# KiCad board first_keyboard.kicad_pcb (continued)
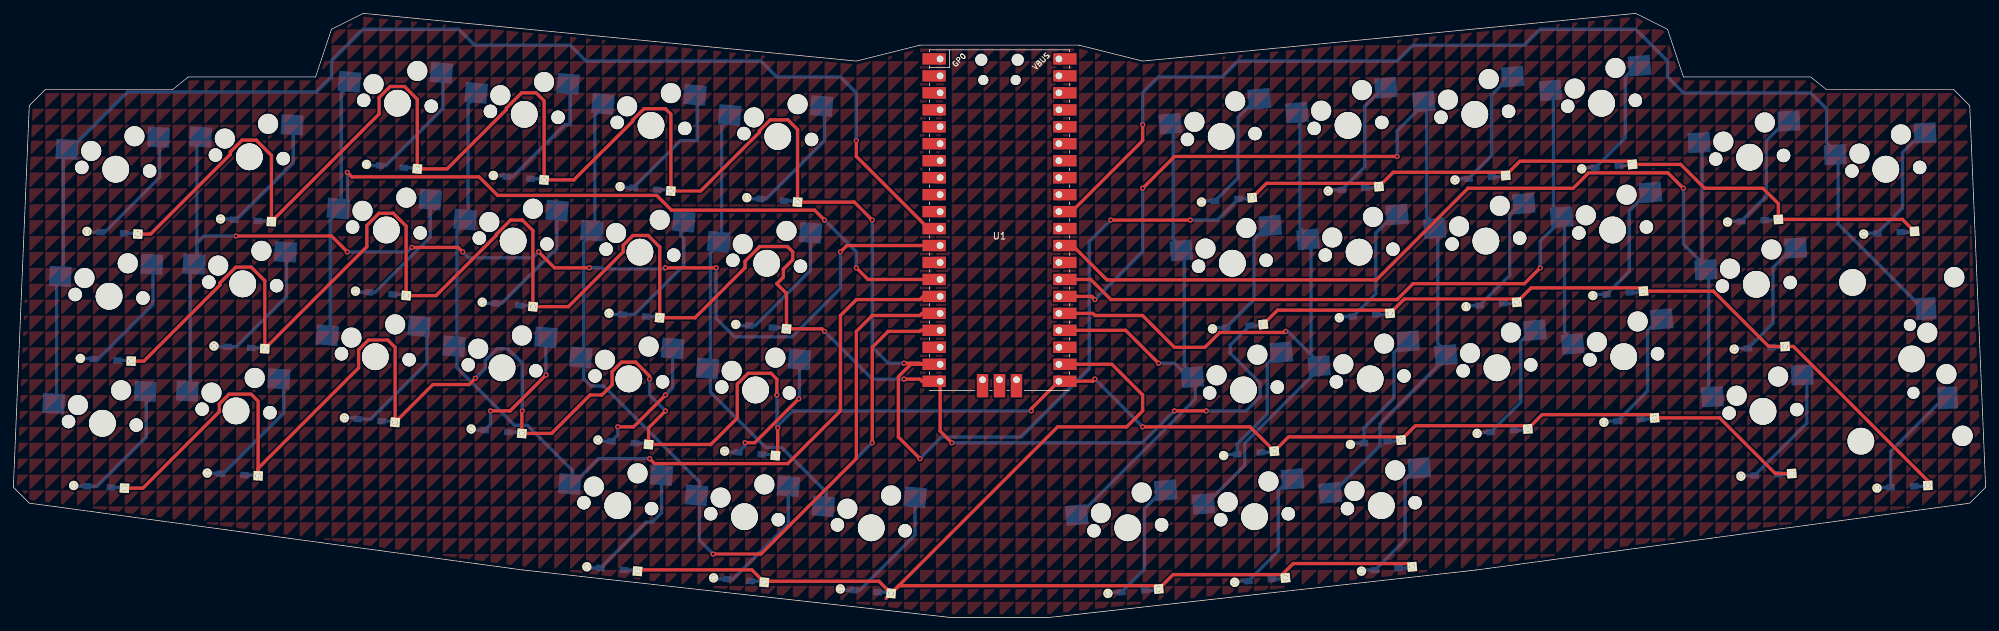
[diagram p0: board, top side]
## Copper pours and planes (outline as drawn; the poured copper is in the pictures) (continued)
(no net) on Top, Bottom: 116.68,107.16 116.68,104.78 119.06,107.16
(no net) on Top, Bottom: 128.59,2.38 128.59,0 130.97,2.38
(no net) on Top, Bottom: 90.49,104.78 90.49,102.39 92.87,104.78
(no net) on Top, Bottom: 288.13,45.24 288.13,42.86 290.51,45.24
(no net) on Top, Bottom: 147.64,45.24 147.64,42.86 150.02,45.24
(no net) on Top, Bottom: 228.6,135.73 228.6,133.35 230.98,135.73
(no net) on Top, Bottom: 173.83,64.29 173.83,61.91 176.21,64.29
(no net) on Top, Bottom: 150.02,69.06 150.02,66.68 152.4,69.06
(no net) on Top, Bottom: 52.39,109.54 52.39,107.16 54.77,109.54
(no net) on Top, Bottom: 247.65,90.49 247.65,88.11 250.03,90.49
(no net) on Top, Bottom: 109.54,40.48 109.54,38.1 111.92,40.48
(no net) on Top, Bottom: 116.68,14.29 116.68,11.91 119.06,14.29
(no net) on Top, Bottom: 188.12,119.06 188.12,116.68 190.5,119.06
(no net) on Top, Bottom: 157.16,-33.34 157.16,-35.72 159.54,-33.34
(no net) on Top, Bottom: 104.77,116.68 104.77,114.3 107.16,116.68
(no net) on Top, Bottom: 259.56,52.39 259.56,50.01 261.94,52.39
(no net) on Top, Bottom: 285.75,71.44 285.75,69.06 288.13,71.44
(no net) on Top, Bottom: 135.73,-33.34 135.73,-35.72 138.11,-33.34
(no net) on Top, Bottom: 173.83,50.01 173.83,47.62 176.21,50.01
(no net) on Top, Bottom: 190.5,0 190.5,-2.38 192.88,0
(no net) on Top, Bottom: 278.61,85.72 278.61,83.34 280.99,85.72
(no net) on Top, Bottom: 47.62,116.68 47.62,114.3 50.01,116.68
(no net) on Top, Bottom: 33.34,119.06 33.34,116.68 35.72,119.06
(no net) on Top, Bottom: 145.26,64.29 145.26,61.91 147.64,64.29
(no net) on Top, Bottom: 138.11,133.35 138.11,130.97 140.49,133.35
(no net) on Top, Bottom: 104.77,35.72 104.77,33.34 107.16,35.72
(no net) on Top, Bottom: 119.06,21.43 119.06,19.05 121.44,21.43
(no net) on Top, Bottom: 114.3,119.06 114.3,116.68 116.68,119.06
(no net) on Top, Bottom: 190.5,-19.05 190.5,-21.43 192.88,-19.05
(no net) on Top, Bottom: 152.4,107.16 152.4,104.78 154.78,107.16
(no net) on Top, Bottom: 173.83,16.67 173.83,14.29 176.21,16.67
(no net) on Top, Bottom: 257.18,142.88 257.18,140.49 259.56,142.88
(no net) on Top, Bottom: 183.36,83.34 183.36,80.96 185.74,83.34
(no net) on Top, Bottom: 216.69,92.87 216.69,90.49 219.07,92.87
(no net) on Top, Bottom: 85.73,83.34 85.73,80.96 88.11,83.34
(no net) on Top, Bottom: 142.88,133.35 142.88,130.97 145.26,133.35
(no net) on Top, Bottom: 126.21,150.02 126.21,147.64 128.59,150.02
(no net) on Top, Bottom: 76.2,30.96 76.2,28.57 78.58,30.96
(no net) on Top, Bottom: 171.45,38.1 171.45,35.72 173.83,38.1
(no net) on Top, Bottom: 0,11.91 0,9.53 2.38,11.91
(no net) on Top, Bottom: 164.31,-9.53 164.31,-11.91 166.69,-9.53
(no net) on Top, Bottom: 92.87,21.43 92.87,19.05 95.25,21.43
(no net) on Top, Bottom: 216.69,59.53 216.69,57.15 219.07,59.53
(no net) on Top, Bottom: 195.26,16.67 195.26,14.29 197.64,16.67
(no net) on Top, Bottom: 283.37,4.76 283.37,2.38 285.75,4.76
(no net) on Top, Bottom: 254.79,52.39 254.79,50.01 257.18,52.39
(no net) on Top, Bottom: 109.54,61.91 109.54,59.53 111.92,61.91
(no net) on Top, Bottom: 247.65,54.77 247.65,52.39 250.03,54.77
(no net) on Top, Bottom: 276.22,45.24 276.22,42.86 278.61,45.24
(no net) on Top, Bottom: 2.38,100.01 2.38,97.63 4.76,100.01
(no net) on Top, Bottom: 238.12,119.06 238.12,116.68 240.51,119.06
(no net) on Top, Bottom: 88.11,121.44 88.11,119.06 90.49,121.44
(no net) on Top, Bottom: 221.46,90.49 221.46,88.11 223.84,90.49
(no net) on Top, Bottom: 40.48,133.35 40.48,130.97 42.86,133.35
(no net) on Top, Bottom: 14.29,0 14.29,-2.38 16.67,0
(no net) on Top, Bottom: 126.21,-38.1 126.21,-40.48 128.59,-38.1
(no net) on Top, Bottom: 154.78,-9.53 154.78,-11.91 157.16,-9.53
(no net) on Top, Bottom: 264.32,116.68 264.32,114.3 266.7,116.68
(no net) on Top, Bottom: 242.89,33.34 242.89,30.96 245.27,33.34
(no net) on Top, Bottom: 280.99,102.39 280.99,100.01 283.37,102.39
(no net) on Top, Bottom: 30.96,14.29 30.96,11.91 33.34,14.29
(no net) on Top, Bottom: 297.66,14.29 297.66,11.91 300.04,14.29
(no net) on Top, Bottom: 223.84,-28.57 223.84,-30.96 226.22,-28.57
(no net) on Top, Bottom: 73.82,88.11 73.82,85.72 76.2,88.11
(no net) on Top, Bottom: 192.88,66.68 192.88,64.29 195.26,66.68
(no net) on Top, Bottom: 119.06,69.06 119.06,66.68 121.44,69.06
(no net) on Top, Bottom: 9.53,76.2 9.53,73.82 11.91,76.2
(no net) on Top, Bottom: 97.63,121.44 97.63,119.06 100.01,121.44
(no net) on Top, Bottom: 126.21,100.01 126.21,97.63 128.59,100.01
(no net) on Top, Bottom: 126.21,-30.96 126.21,-33.34 128.59,-30.96
(no net) on Top, Bottom: 200.02,16.67 200.02,14.29 202.41,16.67
(no net) on Top, Bottom: 204.79,83.34 204.79,80.96 207.17,83.34
(no net) on Top, Bottom: 266.7,100.01 266.7,97.63 269.08,100.01
(no net) on Top, Bottom: 107.16,119.06 107.16,116.68 109.54,119.06
(no net) on Top, Bottom: 223.84,2.38 223.84,0 226.22,2.38
(no net) on Top, Bottom: 4.76,-26.19 4.76,-28.57 7.14,-26.19
(no net) on Top, Bottom: 121.44,135.73 121.44,133.35 123.83,135.73
(no net) on Top, Bottom: 147.64,2.38 147.64,0 150.02,2.38
(no net) on Top, Bottom: 233.36,100.01 233.36,97.63 235.74,100.01
(no net) on Top, Bottom: 304.8,133.35 304.8,130.97 307.18,133.35
(no net) on Top, Bottom: 85.73,71.44 85.73,69.06 88.11,71.44
(no net) on Top, Bottom: 164.31,135.73 164.31,133.35 166.69,135.73
(no net) on Top, Bottom: 64.29,126.21 64.29,123.83 66.67,126.21
(no net) on Top, Bottom: 304.8,64.29 304.8,61.91 307.18,64.29
(no net) on Top, Bottom: 295.27,47.62 295.27,45.24 297.66,47.62
(no net) on Top, Bottom: 126.21,-9.53 126.21,-11.91 128.59,-9.53
(no net) on Top, Bottom: 16.67,9.53 16.67,7.14 19.05,9.53
(no net) on Top, Bottom: 159.54,145.26 159.54,142.88 161.93,145.26
(no net) on Top, Bottom: 23.81,-35.72 23.81,-38.1 26.19,-35.72
(no net) on Top, Bottom: 211.93,116.68 211.93,114.3 214.31,116.68
(no net) on Top, Bottom: 40.48,-38.1 40.48,-40.48 42.86,-38.1
(no net) on Top, Bottom: 35.72,19.05 35.72,16.67 38.1,19.05
(no net) on Top, Bottom: 202.41,119.06 202.41,116.68 204.79,119.06
(no net) on Top, Bottom: 185.74,9.53 185.74,7.14 188.12,9.53
(no net) on Top, Bottom: 154.78,109.54 154.78,107.16 157.16,109.54
(no net) on Top, Bottom: 135.73,0 135.73,-2.38 138.11,0
(no net) on Top, Bottom: 264.32,-21.43 264.32,-23.81 266.7,-21.43
(no net) on Top, Bottom: 130.97,45.24 130.97,42.86 133.35,45.24
(no net) on Top, Bottom: 123.83,97.63 123.83,95.25 126.21,97.63
(no net) on Top, Bottom: 145.26,80.96 145.26,78.58 147.64,80.96
(no net) on Top, Bottom: 102.39,4.76 102.39,2.38 104.77,4.76
(no net) on Top, Bottom: 76.2,123.83 76.2,121.44 78.58,123.83
(no net) on Top, Bottom: 219.07,126.21 219.07,123.83 221.46,126.21
(no net) on Top, Bottom: 114.3,14.29 114.3,11.91 116.68,14.29
(no net) on Top, Bottom: 138.11,142.88 138.11,140.49 140.49,142.88
(no net) on Top, Bottom: 73.82,111.92 73.82,109.54 76.2,111.92
(no net) on Top, Bottom: 285.75,52.39 285.75,50.01 288.13,52.39
(no net) on Top, Bottom: 302.42,30.96 302.42,28.57 304.8,30.96
(no net) on Top, Bottom: 209.55,57.15 209.55,54.77 211.93,57.15
(no net) on Top, Bottom: 2.38,2.38 2.38,0 4.76,2.38
(no net) on Top, Bottom: 261.94,-38.1 261.94,-40.48 264.32,-38.1
(no net) on Top, Bottom: 216.69,-9.53 216.69,-11.91 219.07,-9.53
(no net) on Top, Bottom: 295.27,66.68 295.27,64.29 297.66,66.68
(no net) on Top, Bottom: 78.58,76.2 78.58,73.82 80.96,76.2
(no net) on Top, Bottom: 266.7,-23.81 266.7,-26.19 269.08,-23.81
(no net) on Top, Bottom: 257.18,88.11 257.18,85.72 259.56,88.11
(no net) on Top, Bottom: 97.63,-35.72 97.63,-38.1 100.01,-35.72
(no net) on Top, Bottom: 7.14,83.34 7.14,80.96 9.53,83.34
(no net) on Top, Bottom: 173.83,138.11 173.83,135.73 176.21,138.11
(no net) on Top, Bottom: 40.48,23.81 40.48,21.43 42.86,23.81
(no net) on Top, Bottom: 150.02,147.64 150.02,145.26 152.4,147.64
(no net) on Top, Bottom: 288.13,150.02 288.13,147.64 290.51,150.02
(no net) on Top, Bottom: 102.39,7.14 102.39,4.76 104.77,7.14
(no net) on Top, Bottom: 45.24,4.76 45.24,2.38 47.62,4.76
(no net) on Top, Bottom: 150.02,54.77 150.02,52.39 152.4,54.77
(no net) on Top, Bottom: 204.79,-7.14 204.79,-9.53 207.17,-7.14
(no net) on Top, Bottom: 4.76,64.29 4.76,61.91 7.14,64.29
(no net) on Top, Bottom: 54.77,85.72 54.77,83.34 57.15,85.72
(no net) on Top, Bottom: 42.86,35.72 42.86,33.34 45.24,35.72
(no net) on Top, Bottom: 69.06,-38.1 69.06,-40.48 71.44,-38.1
(no net) on Top, Bottom: 88.11,61.91 88.11,59.53 90.49,61.91
(no net) on Top, Bottom: 173.83,9.53 173.83,7.14 176.21,9.53
(no net) on Top, Bottom: 38.1,11.91 38.1,9.53 40.48,11.91
(no net) on Top, Bottom: 250.03,-11.91 250.03,-14.29 252.41,-11.91
(no net) on Top, Bottom: 204.79,-23.81 204.79,-26.19 207.17,-23.81
(no net) on Top, Bottom: 26.19,-26.19 26.19,-28.57 28.58,-26.19
(no net) on Top, Bottom: 71.44,-26.19 71.44,-28.57 73.82,-26.19
(no net) on Top, Bottom: 276.22,121.44 276.22,119.06 278.61,121.44
(no net) on Top, Bottom: 185.74,102.39 185.74,100.01 188.12,102.39
(no net) on Top, Bottom: 297.66,85.72 297.66,83.34 300.04,85.72
(no net) on Top, Bottom: 183.36,4.76 183.36,2.38 185.74,4.76
(no net) on Top, Bottom: 288.13,35.72 288.13,33.34 290.51,35.72
(no net) on Top, Bottom: 88.11,104.78 88.11,102.39 90.49,104.78
(no net) on Top, Bottom: 59.53,19.05 59.53,16.67 61.91,19.05
(no net) on Top, Bottom: 66.67,-38.1 66.67,-40.48 69.06,-38.1
(no net) on Top, Bottom: 130.97,111.92 130.97,109.54 133.35,111.92
(no net) on Top, Bottom: 121.44,85.72 121.44,83.34 123.83,85.72
(no net) on Top, Bottom: 266.7,42.86 266.7,40.48 269.08,42.86
(no net) on Top, Bottom: 69.06,-11.91 69.06,-14.29 71.44,-11.91
(no net) on Top, Bottom: 221.46,145.26 221.46,142.88 223.84,145.26
(no net) on Top, Bottom: 271.46,61.91 271.46,59.53 273.84,61.91
(no net) on Top, Bottom: 23.81,23.81 23.81,21.43 26.19,23.81
(no net) on Top, Bottom: 88.11,-33.34 88.11,-35.72 90.49,-33.34
(no net) on Top, Bottom: 100.01,-21.43 100.01,-23.81 102.39,-21.43
(no net) on Top, Bottom: 11.91,2.38 11.91,0 14.29,2.38
(no net) on Top, Bottom: 47.62,11.91 47.62,9.53 50.01,11.91
(no net) on Top, Bottom: 183.36,26.19 183.36,23.81 185.74,26.19
(no net) on Top, Bottom: 80.96,61.91 80.96,59.53 83.34,61.91
(no net) on Top, Bottom: 21.43,42.86 21.43,40.48 23.81,42.86
(no net) on Top, Bottom: 188.12,-35.72 188.12,-38.1 190.5,-35.72
(no net) on Top, Bottom: 290.51,2.38 290.51,0 292.89,2.38
(no net) on Top, Bottom: 192.88,80.96 192.88,78.58 195.26,80.96
(no net) on Top, Bottom: 219.07,138.11 219.07,135.73 221.46,138.11
(no net) on Top, Bottom: 233.36,-9.53 233.36,-11.91 235.74,-9.53
(no net) on Top, Bottom: 273.84,73.82 273.84,71.44 276.22,73.82
(no net) on Top, Bottom: 90.49,40.48 90.49,38.1 92.87,40.48
(no net) on Top, Bottom: 295.27,-4.76 295.27,-7.14 297.66,-4.76
(no net) on Top, Bottom: 245.27,61.91 245.27,59.53 247.65,61.91
(no net) on Top, Bottom: 45.24,19.05 45.24,16.67 47.62,19.05
(no net) on Top, Bottom: 247.65,-21.43 247.65,-23.81 250.03,-21.43
(no net) on Top, Bottom: 66.67,69.06 66.67,66.68 69.06,69.06
(no net) on Top, Bottom: 150.02,138.11 150.02,135.73 152.4,138.11
(no net) on Top, Bottom: 197.64,116.68 197.64,114.3 200.02,116.68
(no net) on Top, Bottom: 290.51,38.1 290.51,35.72 292.89,38.1
(no net) on Top, Bottom: 169.07,11.91 169.07,9.53 171.45,11.91
(no net) on Top, Bottom: 264.32,-7.14 264.32,-9.53 266.7,-7.14
(no net) on Top, Bottom: 126.21,147.64 126.21,145.26 128.59,147.64
(no net) on Top, Bottom: 88.11,90.49 88.11,88.11 90.49,90.49
(no net) on Top, Bottom: 185.74,2.38 185.74,0 188.12,2.38
(no net) on Top, Bottom: 16.67,38.1 16.67,35.72 19.05,38.1
(no net) on Top, Bottom: 145.26,21.43 145.26,19.05 147.64,21.43
(no net) on Top, Bottom: 183.36,102.39 183.36,100.01 185.74,102.39
(no net) on Top, Bottom: 130.97,130.97 130.97,128.59 133.35,130.97
(no net) on Top, Bottom: 214.31,90.49 214.31,88.11 216.69,90.49
(no net) on Top, Bottom: 135.73,150.02 135.73,147.64 138.11,150.02
(no net) on Top, Bottom: 200.02,69.06 200.02,66.68 202.41,69.06
(no net) on Top, Bottom: 52.39,-28.57 52.39,-30.96 54.77,-28.57
(no net) on Top, Bottom: 54.77,26.19 54.77,23.81 57.15,26.19
(no net) on Top, Bottom: 180.98,11.91 180.98,9.53 183.36,11.91
(no net) on Top, Bottom: 257.18,-4.76 257.18,-7.14 259.56,-4.76
(no net) on Top, Bottom: 228.6,64.29 228.6,61.91 230.98,64.29
(no net) on Top, Bottom: 247.65,88.11 247.65,85.72 250.03,88.11
(no net) on Top, Bottom: 214.31,-11.91 214.31,-14.29 216.69,-11.91
(no net) on Top, Bottom: 107.16,-35.72 107.16,-38.1 109.54,-35.72
(no net) on Top, Bottom: 85.73,104.78 85.73,102.39 88.11,104.78
(no net) on Top, Bottom: 47.62,9.53 47.62,7.14 50.01,9.53
(no net) on Top, Bottom: 147.64,126.21 147.64,123.83 150.02,126.21
(no net) on Top, Bottom: 45.24,-23.81 45.24,-26.19 47.62,-23.81
(no net) on Top, Bottom: 23.81,-14.29 23.81,-16.67 26.19,-14.29
(no net) on Top, Bottom: 219.07,2.38 219.07,0 221.46,2.38
(no net) on Top, Bottom: 254.79,138.11 254.79,135.73 257.18,138.11
(no net) on Top, Bottom: 26.19,116.68 26.19,114.3 28.58,116.68
(no net) on Top, Bottom: 233.36,114.3 233.36,111.92 235.74,114.3
(no net) on Top, Bottom: 211.93,133.35 211.93,130.97 214.31,133.35
(no net) on Top, Bottom: 209.55,119.06 209.55,116.68 211.93,119.06
(no net) on Top, Bottom: 45.24,-33.34 45.24,-35.72 47.62,-33.34
(no net) on Top, Bottom: 190.5,28.57 190.5,26.19 192.88,28.57
(no net) on Top, Bottom: 95.25,14.29 95.25,11.91 97.63,14.29
(no net) on Top, Bottom: 83.34,19.05 83.34,16.67 85.73,19.05
(no net) on Top, Bottom: 109.54,100.01 109.54,97.63 111.92,100.01
(no net) on Top, Bottom: 145.26,83.34 145.26,80.96 147.64,83.34
(no net) on Top, Bottom: 266.7,69.06 266.7,66.68 269.08,69.06
(no net) on Top, Bottom: 252.41,64.29 252.41,61.91 254.79,64.29
(no net) on Top, Bottom: 126.21,128.59 126.21,126.21 128.59,128.59
(no net) on Top, Bottom: 100.01,100.01 100.01,97.63 102.39,100.01
(no net) on Top, Bottom: 228.6,111.92 228.6,109.54 230.98,111.92
(no net) on Top, Bottom: 211.93,107.16 211.93,104.78 214.31,107.16
(no net) on Top, Bottom: 28.58,61.91 28.58,59.53 30.96,61.91
(no net) on Top, Bottom: 171.45,116.68 171.45,114.3 173.83,116.68
(no net) on Top, Bottom: 14.29,102.39 14.29,100.01 16.67,102.39
(no net) on Top, Bottom: 283.37,47.62 283.37,45.24 285.75,47.62
(no net) on Top, Bottom: 266.7,14.29 266.7,11.91 269.08,14.29
(no net) on Top, Bottom: 7.14,0 7.14,-2.38 9.53,0
(no net) on Top, Bottom: 271.46,40.48 271.46,38.1 273.84,40.48
(no net) on Top, Bottom: 11.91,16.67 11.91,14.29 14.29,16.67
(no net) on Top, Bottom: 297.66,7.14 297.66,4.76 300.04,7.14
(no net) on Top, Bottom: 278.61,38.1 278.61,35.72 280.99,38.1
(no net) on Top, Bottom: 190.5,97.63 190.5,95.25 192.88,97.63
(no net) on Top, Bottom: 302.42,57.15 302.42,54.77 304.8,57.15
(no net) on Top, Bottom: 76.2,0 76.2,-2.38 78.58,0
(no net) on Top, Bottom: 83.34,107.16 83.34,104.78 85.73,107.16
(no net) on Top, Bottom: 176.21,85.72 176.21,83.34 178.59,85.72
(no net) on Top, Bottom: 145.26,126.21 145.26,123.83 147.64,126.21
(no net) on Top, Bottom: 250.03,23.81 250.03,21.43 252.41,23.81
(no net) on Top, Bottom: 73.82,92.87 73.82,90.49 76.2,92.87
(no net) on Top, Bottom: 28.58,16.67 28.58,14.29 30.96,16.67
(no net) on Top, Bottom: 123.83,83.34 123.83,80.96 126.21,83.34
(no net) on Top, Bottom: 250.03,50.01 250.03,47.62 252.41,50.01
(no net) on Top, Bottom: 88.11,140.49 88.11,138.11 90.49,140.49
(no net) on Top, Bottom: 302.42,38.1 302.42,35.72 304.8,38.1
(no net) on Top, Bottom: 290.51,128.59 290.51,126.21 292.89,128.59
(no net) on Top, Bottom: 69.06,119.06 69.06,116.68 71.44,119.06
(no net) on Top, Bottom: 273.84,111.92 273.84,109.54 276.22,111.92
(no net) on Top, Bottom: 266.7,-16.67 266.7,-19.05 269.08,-16.67
(no net) on Top, Bottom: 123.83,52.39 123.83,50.01 126.21,52.39
(no net) on Top, Bottom: 300.04,26.19 300.04,23.81 302.42,26.19
(no net) on Top, Bottom: 28.58,76.2 28.58,73.82 30.96,76.2
(no net) on Top, Bottom: 283.37,42.86 283.37,40.48 285.75,42.86
(no net) on Top, Bottom: 297.66,78.58 297.66,76.2 300.04,78.58
(no net) on Top, Bottom: 138.11,47.62 138.11,45.24 140.49,47.62
(no net) on Top, Bottom: 57.15,-38.1 57.15,-40.48 59.53,-38.1
(no net) on Top, Bottom: 166.69,-33.34 166.69,-35.72 169.07,-33.34
(no net) on Top, Bottom: 226.22,114.3 226.22,111.92 228.6,114.3
(no net) on Top, Bottom: 2.38,-38.1 2.38,-40.48 4.76,-38.1
(no net) on Top, Bottom: 180.98,128.59 180.98,126.21 183.36,128.59
(no net) on Top, Bottom: 147.64,42.86 147.64,40.48 150.02,42.86
(no net) on Top, Bottom: 116.68,-19.05 116.68,-21.43 119.06,-19.05
(no net) on Top, Bottom: 292.89,150.02 292.89,147.64 295.27,150.02
(no net) on Top, Bottom: 280.99,73.82 280.99,71.44 283.37,73.82
(no net) on Top, Bottom: 176.21,52.39 176.21,50.01 178.59,52.39
(no net) on Top, Bottom: 119.06,-35.72 119.06,-38.1 121.44,-35.72
(no net) on Top, Bottom: 176.21,16.67 176.21,14.29 178.59,16.67
(no net) on Top, Bottom: 138.11,64.29 138.11,61.91 140.49,64.29
(no net) on Top, Bottom: 64.29,-2.38 64.29,-4.76 66.67,-2.38
(no net) on Top, Bottom: 100.01,-2.38 100.01,-4.76 102.39,-2.38
(no net) on Top, Bottom: 19.05,-11.91 19.05,-14.29 21.43,-11.91
(no net) on Top, Bottom: 78.58,66.68 78.58,64.29 80.96,66.68
(no net) on Top, Bottom: 26.19,92.87 26.19,90.49 28.58,92.87
(no net) on Top, Bottom: 85.73,16.67 85.73,14.29 88.11,16.67
(no net) on Top, Bottom: 135.73,71.44 135.73,69.06 138.11,71.44
(no net) on Top, Bottom: 214.31,140.49 214.31,138.11 216.69,140.49
(no net) on Top, Bottom: 233.36,50.01 233.36,47.62 235.74,50.01
(no net) on Top, Bottom: 145.26,133.35 145.26,130.97 147.64,133.35
(no net) on Top, Bottom: 42.86,-7.14 42.86,-9.53 45.24,-7.14
(no net) on Top, Bottom: 154.78,9.53 154.78,7.14 157.16,9.53
(no net) on Top, Bottom: 57.15,35.72 57.15,33.34 59.53,35.72
(no net) on Top, Bottom: 269.08,33.34 269.08,30.96 271.46,33.34
(no net) on Top, Bottom: 190.5,33.34 190.5,30.96 192.88,33.34
(no net) on Top, Bottom: 35.72,33.34 35.72,30.96 38.1,33.34
(no net) on Top, Bottom: 26.19,-9.53 26.19,-11.91 28.58,-9.53
(no net) on Top, Bottom: 147.64,138.11 147.64,135.73 150.02,138.11
(no net) on Top, Bottom: 76.2,85.72 76.2,83.34 78.58,85.72
(no net) on Top, Bottom: 57.15,26.19 57.15,23.81 59.53,26.19
(no net) on Top, Bottom: 269.08,7.14 269.08,4.76 271.46,7.14
(no net) on Top, Bottom: 197.64,128.59 197.64,126.21 200.02,128.59
(no net) on Top, Bottom: 233.36,95.25 233.36,92.87 235.74,95.25
(no net) on Top, Bottom: 83.34,66.68 83.34,64.29 85.73,66.68
(no net) on Top, Bottom: 202.41,109.54 202.41,107.16 204.79,109.54
(no net) on Top, Bottom: 250.03,114.3 250.03,111.92 252.41,114.3
(no net) on Top, Bottom: 83.34,33.34 83.34,30.96 85.73,33.34
(no net) on Top, Bottom: 107.16,64.29 107.16,61.91 109.54,64.29
(no net) on Top, Bottom: 183.36,35.72 183.36,33.34 185.74,35.72
(no net) on Top, Bottom: 290.51,73.82 290.51,71.44 292.89,73.82
(no net) on Top, Bottom: 142.88,85.72 142.88,83.34 145.26,85.72
(no net) on Top, Bottom: 100.01,128.59 100.01,126.21 102.39,128.59
(no net) on Top, Bottom: 16.67,23.81 16.67,21.43 19.05,23.81
(no net) on Top, Bottom: 59.53,57.15 59.53,54.77 61.91,57.15
(no net) on Top, Bottom: 45.24,138.11 45.24,135.73 47.62,138.11
(no net) on Top, Bottom: 226.22,109.54 226.22,107.16 228.6,109.54
(no net) on Top, Bottom: 47.62,-16.67 47.62,-19.05 50.01,-16.67
(no net) on Top, Bottom: 238.12,140.49 238.12,138.11 240.51,140.49
(no net) on Top, Bottom: 145.26,116.68 145.26,114.3 147.64,116.68
(no net) on Top, Bottom: 197.64,26.19 197.64,23.81 200.02,26.19
(no net) on Top, Bottom: 171.45,23.81 171.45,21.43 173.83,23.81
(no net) on Top, Bottom: 78.58,92.87 78.58,90.49 80.96,92.87
(no net) on Top, Bottom: 190.5,30.96 190.5,28.57 192.88,30.96
(no net) on Top, Bottom: 285.75,107.16 285.75,104.78 288.13,107.16
(no net) on Top, Bottom: 292.89,42.86 292.89,40.48 295.27,42.86
(no net) on Top, Bottom: 261.94,140.49 261.94,138.11 264.32,140.49
(no net) on Top, Bottom: 4.76,-33.34 4.76,-35.72 7.14,-33.34
(no net) on Top, Bottom: 130.97,0 130.97,-2.38 133.35,0
(no net) on Top, Bottom: 142.88,130.97 142.88,128.59 145.26,130.97
(no net) on Top, Bottom: 297.66,4.76 297.66,2.38 300.04,4.76
(no net) on Top, Bottom: 195.26,140.49 195.26,138.11 197.64,140.49
(no net) on Top, Bottom: 204.79,135.73 204.79,133.35 207.17,135.73
(no net) on Top, Bottom: 59.53,47.62 59.53,45.24 61.91,47.62
(no net) on Top, Bottom: 209.55,2.38 209.55,0 211.93,2.38
(no net) on Top, Bottom: 80.96,-11.91 80.96,-14.29 83.34,-11.91
(no net) on Top, Bottom: 288.13,-16.67 288.13,-19.05 290.51,-16.67
(no net) on Top, Bottom: 154.78,80.96 154.78,78.58 157.16,80.96
(no net) on Top, Bottom: 266.7,-7.14 266.7,-9.53 269.08,-7.14
(no net) on Top, Bottom: 250.03,111.92 250.03,109.54 252.41,111.92
(no net) on Top, Bottom: 128.59,123.83 128.59,121.44 130.97,123.83
(no net) on Top, Bottom: 83.34,59.53 83.34,57.15 85.73,59.53
(no net) on Top, Bottom: 161.93,-26.19 161.93,-28.57 164.31,-26.19
(no net) on Top, Bottom: 4.76,-11.91 4.76,-14.29 7.14,-11.91
(no net) on Top, Bottom: 23.81,114.3 23.81,111.92 26.19,114.3
(no net) on Top, Bottom: 166.69,73.82 166.69,71.44 169.07,73.82
(no net) on Top, Bottom: 273.84,40.48 273.84,38.1 276.22,40.48
(no net) on Top, Bottom: 69.06,61.91 69.06,59.53 71.44,61.91
(no net) on Top, Bottom: 9.53,-38.1 9.53,-40.48 11.91,-38.1
(no net) on Top, Bottom: 7.14,30.96 7.14,28.57 9.53,30.96
(no net) on Top, Bottom: 169.07,97.63 169.07,95.25 171.45,97.63
(no net) on Top, Bottom: 302.42,102.39 302.42,100.01 304.8,102.39
(no net) on Top, Bottom: 21.43,33.34 21.43,30.96 23.81,33.34
(no net) on Top, Bottom: 190.5,-30.96 190.5,-33.34 192.88,-30.96
(no net) on Top, Bottom: 33.34,73.82 33.34,71.44 35.72,73.82
(no net) on Top, Bottom: 264.32,142.88 264.32,140.49 266.7,142.88
(no net) on Top, Bottom: 21.43,47.62 21.43,45.24 23.81,47.62
(no net) on Top, Bottom: 130.97,23.81 130.97,21.43 133.35,23.81
(no net) on Top, Bottom: 173.83,116.68 173.83,114.3 176.21,116.68
(no net) on Top, Bottom: 42.86,45.24 42.86,42.86 45.24,45.24
(no net) on Top, Bottom: 228.6,140.49 228.6,138.11 230.98,140.49
(no net) on Top, Bottom: 126.21,92.87 126.21,90.49 128.59,92.87
(no net) on Top, Bottom: 23.81,107.16 23.81,104.78 26.19,107.16
(no net) on Top, Bottom: 78.58,145.26 78.58,142.88 80.96,145.26
(no net) on Top, Bottom: 169.07,130.97 169.07,128.59 171.45,130.97
(no net) on Top, Bottom: 190.5,104.78 190.5,102.39 192.88,104.78
(no net) on Top, Bottom: 111.92,-9.53 111.92,-11.91 114.3,-9.53
(no net) on Top, Bottom: 80.96,128.59 80.96,126.21 83.34,128.59
(no net) on Top, Bottom: 290.51,-33.34 290.51,-35.72 292.89,-33.34
(no net) on Top, Bottom: 197.64,107.16 197.64,104.78 200.02,107.16
(no net) on Top, Bottom: 261.94,107.16 261.94,104.78 264.32,107.16
(no net) on Top, Bottom: 76.2,42.86 76.2,40.48 78.58,42.86
(no net) on Top, Bottom: 166.69,14.29 166.69,11.91 169.07,14.29
(no net) on Top, Bottom: 257.18,26.19 257.18,23.81 259.56,26.19
(no net) on Top, Bottom: 11.91,102.39 11.91,100.01 14.29,102.39
(no net) on Top, Bottom: 230.98,40.48 230.98,38.1 233.36,40.48
(no net) on Top, Bottom: 16.67,-9.53 16.67,-11.91 19.05,-9.53
(no net) on Top, Bottom: 173.83,-14.29 173.83,-16.67 176.21,-14.29
(no net) on Top, Bottom: 71.44,88.11 71.44,85.72 73.82,88.11
(no net) on Top, Bottom: 159.54,4.76 159.54,2.38 161.93,4.76
(no net) on Top, Bottom: 223.84,95.25 223.84,92.87 226.22,95.25
(no net) on Top, Bottom: 173.83,83.34 173.83,80.96 176.21,83.34
(no net) on Top, Bottom: 26.19,40.48 26.19,38.1 28.58,40.48
(no net) on Top, Bottom: 50.01,54.77 50.01,52.39 52.39,54.77
(no net) on Top, Bottom: 261.94,88.11 261.94,85.72 264.32,88.11
(no net) on Top, Bottom: 178.59,16.67 178.59,14.29 180.98,16.67
(no net) on Top, Bottom: 66.67,119.06 66.67,116.68 69.06,119.06
(no net) on Top, Bottom: 114.3,116.68 114.3,114.3 116.68,116.68
(no net) on Top, Bottom: 245.27,147.64 245.27,145.26 247.65,147.64
(no net) on Top, Bottom: 40.48,-14.29 40.48,-16.67 42.86,-14.29
(no net) on Top, Bottom: 50.01,130.97 50.01,128.59 52.39,130.97
(no net) on Top, Bottom: 278.61,104.78 278.61,102.39 280.99,104.78
(no net) on Top, Bottom: 147.64,57.15 147.64,54.77 150.02,57.15
(no net) on Top, Bottom: 78.58,78.58 78.58,76.2 80.96,78.58
(no net) on Top, Bottom: 290.51,121.44 290.51,119.06 292.89,121.44
(no net) on Top, Bottom: 295.27,-7.14 295.27,-9.53 297.66,-7.14
(no net) on Top, Bottom: 23.81,0 23.81,-2.38 26.19,0
(no net) on Top, Bottom: 295.27,50.01 295.27,47.62 297.66,50.01
(no net) on Top, Bottom: 126.21,-26.19 126.21,-28.57 128.59,-26.19
(no net) on Top, Bottom: 252.41,-38.1 252.41,-40.48 254.79,-38.1
(no net) on Top, Bottom: 52.39,54.77 52.39,52.39 54.77,54.77
(no net) on Top, Bottom: 19.05,88.11 19.05,85.72 21.43,88.11
(no net) on Top, Bottom: 47.62,90.49 47.62,88.11 50.01,90.49
(no net) on Top, Bottom: 138.11,109.54 138.11,107.16 140.49,109.54
(no net) on Top, Bottom: 145.26,150.02 145.26,147.64 147.64,150.02
(no net) on Top, Bottom: 261.94,145.26 261.94,142.88 264.32,145.26
(no net) on Top, Bottom: 171.45,95.25 171.45,92.87 173.83,95.25
(no net) on Top, Bottom: 14.29,21.43 14.29,19.05 16.67,21.43
(no net) on Top, Bottom: 266.7,-38.1 266.7,-40.48 269.08,-38.1
(no net) on Top, Bottom: 133.35,54.77 133.35,52.39 135.73,54.77